# Allegro board 8880F5-0823_1_redwan.brd (continued)
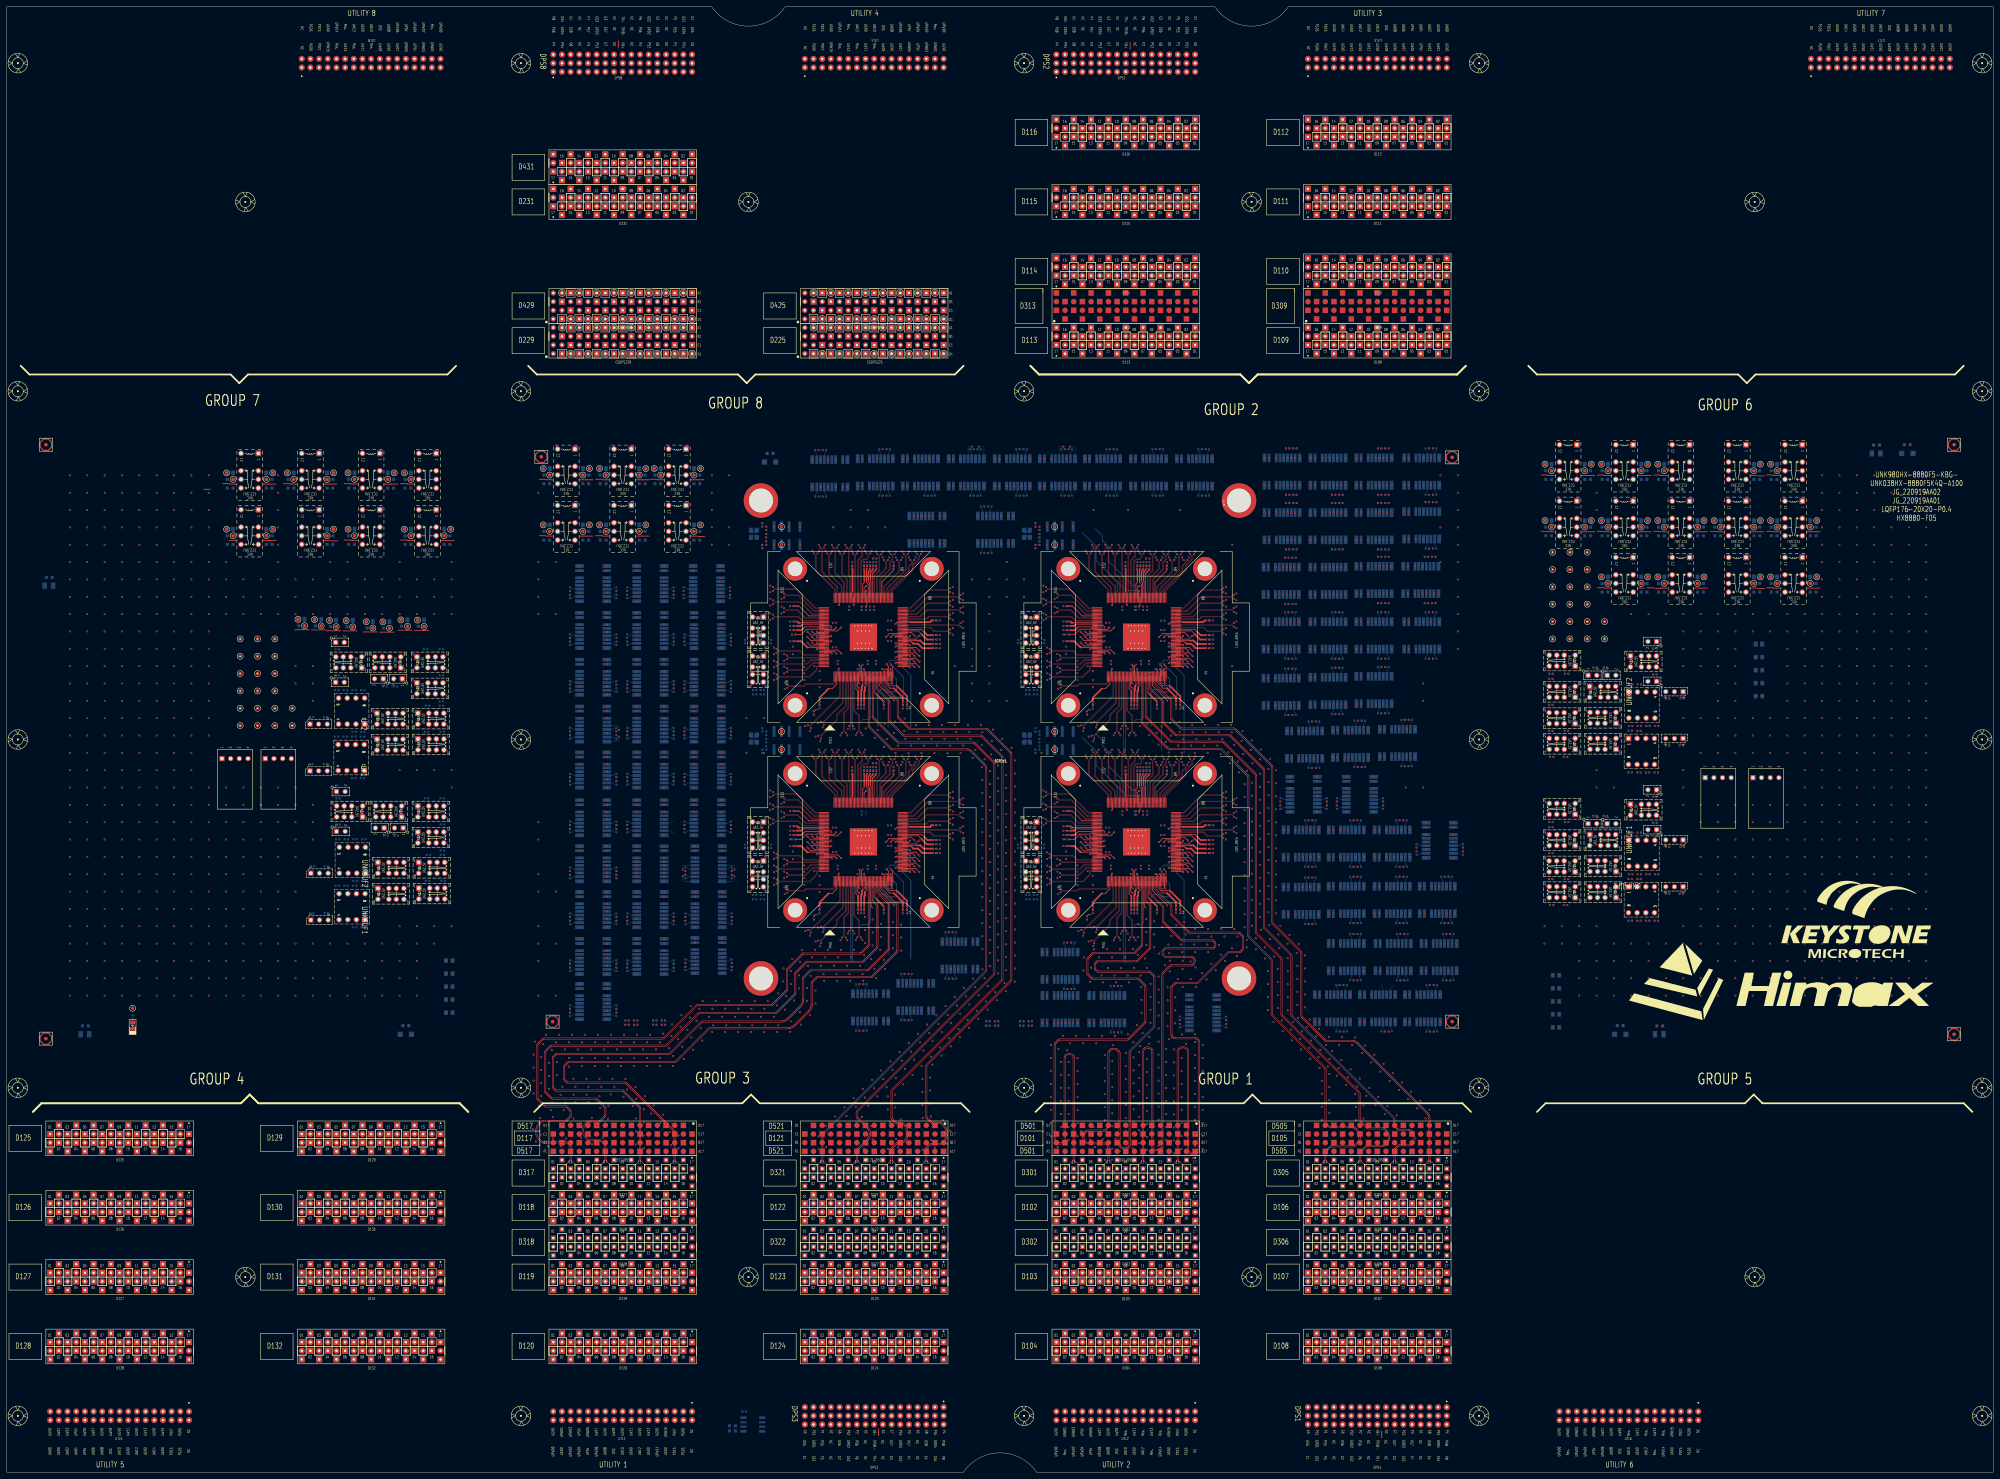
[diagram p0: board, top side]
## Routing (per net, layer and track width the routed paths; a pad name or vN(x,y) marks a point on that pad's centre or on a via; arc(x,y) is an arc through that point) (continued)
S2_1TX_100DCH004-: length 202.3
  TOP w0.086: SITE2.82 343.98,250.83 344.06,250.75 347.37,250.75 349.36,252.75 358.88,252.75 v1(359.29,253.16)
  L07_SIGNAL w0.071: 413.72,312.77 413.72,284.93 417.12,281.53 417.12,270.65 417.19,270.57 v1(417.6,270.57)
  L30_SIGNAL w0.071: v1(359.29,253.16) 359.76,252.69 362.97,252.69 365.26,250.39 378.01,250.39 380.1,252.47 380.1,275.83 381.7,277.44 390.34,277.44 393.54,280.64 393.54,297.93 397.25,301.64 418.58,301.64 422.1,298.13 422.1,276.83 417.12,271.86 417.12,271.05 v1(417.6,270.57)
S2_1TX_100DCH005+: length 142.8
  TOP w0.086: SITE2.83 343.98,251.23 344.06,251.31 346.53,251.31 349.61,254.39 355.8,254.39 v1(356.24,253.95)
  L07_SIGNAL w0.071: 399.32,312.77 399.32,255.15 400.74,253.72 402.29,253.72 402.95,253.06 402.95,251.98 402.88,251.9 v1(402.48,251.9)
  L30_SIGNAL w0.071: v1(356.24,253.95) 355.77,254.42 355.47,254.42 355.12,254.06 355.12,245.25 357.18,243.18 395.75,243.18 402.95,250.38 402.95,251.43 v1(402.48,251.9)
S2_1TX_100DCH005-: length 143.8
  TOP w0.086: SITE2.84 343.98,251.63 344.06,251.55 346.43,251.55 349.51,254.63 355.78,254.63 v1(356.24,255.09)
  L07_SIGNAL w0.071: 399.52,312.77 399.52,255.23 400.82,253.92 402.37,253.92 403.15,253.14 403.15,251.98 403.22,251.9 v1(403.63,251.9)
  L30_SIGNAL w0.071: v1(356.24,255.09) 355.77,254.62 355.39,254.62 354.92,254.14 354.92,245.17 357.1,242.99 395.84,242.99 403.15,250.3 403.15,251.43 v1(403.63,251.9)
S2_1TX_100DCH006+: length 166.7
  TOP w0.086: SITE2.85 343.98,252.03 344.06,252.11 345.58,252.11 349.82,256.36 358.81,256.36 v1(359.29,255.88)
  L07_SIGNAL w0.071: 407.17,312.77 407.17,244.22 402.95,240.01 402.95,238.39 402.88,238.32 v1(402.48,238.32)
  L30_SIGNAL w0.071: v1(402.48,238.32) 402.95,237.84 402.95,237.4 402.32,236.77 359.26,236.77 354.16,241.87 354.16,254.64 355.87,256.35 358.82,256.35 v1(359.29,255.88)
S2_1TX_100DCH006-: length 167.6
  TOP w0.086: SITE2.86 343.98,252.43 344.06,252.35 345.48,252.35 349.73,256.6 358.87,256.6 v1(359.29,257.02)
  L07_SIGNAL w0.071: v1(403.63,238.32) 403.22,238.32 403.15,238.39 403.15,239.93 407.37,244.14 407.37,312.77
  L30_SIGNAL w0.071: v1(403.63,238.32) 403.15,237.84 403.15,237.32 402.4,236.57 359.18,236.57 353.97,241.78 353.97,254.73 355.79,256.55 358.82,256.55 v1(359.29,257.02)
S2_1TX_100DCH007+: length 115.1
  TOP w0.086: SITE2.87 343.98,252.83 344.06,252.91 344.57,252.91 349.88,258.23 355.83,258.23 v1(356.24,257.81)
  L07_SIGNAL w0.071: 379.47,312.91 379.47,286.59 378.43,285.55 376.66,285.55 376.03,284.92 376.03,283.98 375.96,283.91 v1(375.56,283.91)
  L30_SIGNAL w0.071: v1(356.24,257.81) 356.72,258.28 362.24,258.28 369.66,250.87 377.37,250.87 379.38,252.88 379.38,274.01 372.95,280.44 372.95,284.92 373.49,285.46 375.76,285.46 376.04,285.19 376.04,284.39 v1(375.56,283.91)
S2_1TX_100DCH007-: length 115.4
  TOP w0.086: v1(356.24,258.95) 355.76,258.47 349.78,258.47 344.47,253.15 344.06,253.15 343.98,253.23 SITE2.88
  L07_SIGNAL w0.071: 379.66,312.91 379.66,286.5 378.51,285.35 376.74,285.35 376.23,284.84 376.23,283.98 376.3,283.91 v1(376.7,283.91)
  L30_SIGNAL w0.071: v1(376.7,283.91) 376.23,284.38 376.23,285.27 375.85,285.66 373.41,285.66 372.75,285 372.75,280.36 379.18,273.93 379.18,252.96 377.29,251.06 369.74,251.06 362.32,258.48 356.72,258.48 v1(356.24,258.95)
S2_2AUX+:
  vias: v1(290.31,132.08) v1(290.31,130.81)
S2_2AUX-:
  vias: v1(286.77,130.81) v1(287.77,132.08)
S2_2TX_100DCH001+: length 92.1
  TOP w0.086: SITE2.89 339.43,257.78 339.35,257.86 339.35,258.16 345.32,264.13 345.32,265.52 347.21,267.41 347.21,268.5 v1(347.64,268.93)
  L05_SIGNAL w0.071: 379.8,311.64 379.8,284.33 377.77,282.29 377.77,272.89 376.03,271.15 376.03,270.39 375.96,270.32 v1(375.56,270.32)
  L32_SIGNAL w0.071: v1(375.56,270.32) 376.03,269.85 376.03,268.98 375.72,268.67 357.83,268.67 356.82,269.68 349.14,269.68 347.62,268.16 347.26,268.16 347.17,268.24 347.17,268.46 v1(347.64,268.93)
S2_2TX_100DCH001-: length 92.7
  TOP w0.086: v1(346.5,268.93) 346.97,268.46 346.97,267.51 345.08,265.62 345.08,264.23 339.11,258.26 339.11,257.86 339.03,257.78 SITE2.90
  L05_SIGNAL w0.071: v1(376.7,270.32) 376.3,270.32 376.23,270.39 376.23,271.07 377.97,272.81 377.97,282.21 380,284.24 380,311.64
  L32_SIGNAL w0.071: v1(346.5,268.93) 346.97,268.46 346.97,268.16 347.18,267.96 347.7,267.96 349.23,269.48 356.74,269.48 357.74,268.48 375.8,268.48 376.23,268.9 376.23,269.85 v1(376.7,270.32)
S2_2TX_100DCH002+: length 127.3
  TOP w0.086: SITE2.91 338.63,257.78 338.55,257.86 338.55,258.23 344.35,264.04 344.35,265.37 345.28,266.31 345.28,266.78 v1(345.72,267.21)
  L05_SIGNAL w0.071: 409.78,311.64 409.78,287.26 407.56,285.04 407.56,272.12 405.11,269.66 403.63,269.66 402.95,268.99 402.95,268.23 402.88,268.16 v1(402.48,268.16)
  L32_SIGNAL w0.071: v1(402.48,268.16) 402.95,268.63 402.95,268.91 402.78,269.09 400.26,269.09 397.07,265.9 386.11,265.9 381.04,270.97 346,270.97 345.24,270.21 345.24,267.69 v1(345.72,267.21)
S2_2TX_100DCH002-: length 128
  TOP w0.086: v1(344.57,267.21) 345.04,266.74 345.04,266.4 344.11,265.47 344.11,264.13 338.31,258.33 338.31,257.86 338.23,257.78 SITE2.92
  L05_SIGNAL w0.071: v1(403.63,268.16) 403.22,268.16 403.15,268.23 403.15,268.91 403.71,269.47 405.19,269.47 407.76,272.04 407.76,284.96 409.97,287.17 409.97,311.64
  L32_SIGNAL w0.071: v1(403.63,268.16) 403.15,268.63 403.15,268.99 402.86,269.28 400.18,269.28 396.99,266.1 386.19,266.1 381.12,271.17 345.92,271.17 345.04,270.3 345.04,267.69 v1(344.57,267.21)
S2_2TX_100DCH003+: length 155.1
  TOP w0.086: SITE2.93 337.83,257.78 337.75,257.86 337.75,258.68 343.34,264.27 343.34,268.49 v1(343.79,268.93)
  L05_SIGNAL w0.071: 411.8,311.64 411.8,272.67 407.83,268.7 407.83,258.32 406.23,256.73 403.61,256.73 402.95,256.07 402.95,254.64 402.88,254.57 v1(402.48,254.57)
  L32_SIGNAL w0.071: v1(402.48,254.57) 402.95,254.1 402.95,253.32 402.31,252.68 396.06,252.68 394.29,254.45 394.29,258.84 391.57,261.55 356.58,261.55 354.26,259.23 345.64,259.23 343.31,261.56 343.31,268.46 v1(343.79,268.93)
S2_2TX_100DCH003-: length 155.8
  TOP w0.086: v1(342.64,268.93) 343.1,268.47 343.1,264.37 337.51,258.78 337.51,257.86 337.43,257.78 SITE2.94
  L05_SIGNAL w0.071: v1(403.63,254.57) 403.22,254.57 403.15,254.64 403.15,255.98 403.7,256.53 406.31,256.53 408.03,258.24 408.03,268.62 411.99,272.58 411.99,311.64
  L32_SIGNAL w0.071: v1(342.64,268.93) 343.12,268.46 343.12,261.48 345.56,259.03 354.34,259.03 356.66,261.35 391.49,261.35 394.09,258.75 394.09,254.37 395.98,252.48 402.4,252.48 403.15,253.23 403.15,254.1 v1(403.63,254.57)
S2_2TX_100DCH004+: length 137.4
  TOP w0.086: v1(341.86,267.21) 341.41,266.77 341.41,263.74 336.95,259.28 336.95,257.86 337.03,257.78 SITE2.95
  L05_SIGNAL w0.071: v1(402.48,283.91) 402.88,283.91 402.95,283.98 402.95,284.92 403.61,285.57 406.4,285.57 408.19,287.36 408.19,311.64
  L32_SIGNAL w0.071: v1(402.48,283.91) 402.95,284.38 402.95,285.04 403.21,285.29 406.19,285.29 407.18,284.31 407.18,270.55 406.19,269.57 397.32,269.57 396.65,268.89 384.63,268.89 381.81,271.72 366.74,271.72 366.18,272.28 342.6,272.28 341.38,271.07 341.38,267.69 v1(341.86,267.21)
S2_2TX_100DCH004-: length 136.7
  TOP w0.086: SITE2.96 336.63,257.78 336.71,257.86 336.71,259.38 341.17,263.84 341.17,266.75 v1(340.71,267.21)
  L05_SIGNAL w0.071: 408.39,311.64 408.39,287.28 406.48,285.37 403.69,285.37 403.15,284.84 403.15,283.98 403.22,283.91 v1(403.63,283.91)
  L32_SIGNAL w0.071: v1(403.63,283.91) 403.15,284.38 403.15,284.96 403.29,285.09 406.11,285.09 406.98,284.23 406.98,270.64 406.11,269.77 397.24,269.77 396.56,269.09 384.72,269.09 381.89,271.92 366.83,271.92 366.26,272.48 342.52,272.48 341.19,271.15 341.19,267.69 v1(340.71,267.21)
S2_2TX_100DCH005+: length 130.2
  TOP w0.086: v1(339.93,268.93) 339.46,268.47 339.46,267.3 338.7,266.53 338.7,264.43 335.75,261.48 335.75,257.86 335.83,257.78 SITE2.98
  L05_SIGNAL w0.071: 399.7,311.64 399.7,273.14 400.54,272.3 402.03,272.3 402.95,271.37 402.95,270.39 402.88,270.32 v1(402.48,270.32)
  L32_SIGNAL w0.071: v1(339.93,268.93) 339.45,269.4 339.45,271.76 340.65,272.96 366.4,272.96 367.14,272.22 383.39,272.22 386.2,269.41 395,269.41 397.98,272.39 402.45,272.39 402.95,271.88 402.95,270.79 v1(402.48,270.32)
S2_2TX_100DCH005-: length 130.9
  TOP w0.086: v1(338.78,268.93) 339.22,268.49 339.22,267.39 338.46,266.63 338.46,264.53 335.51,261.58 335.51,257.86 335.43,257.78 SITE2.99
  L05_SIGNAL w0.071: 399.9,311.64 399.9,273.22 400.62,272.49 402.11,272.49 403.15,271.45 403.15,270.39 403.22,270.32 v1(403.63,270.32)
  L32_SIGNAL w0.071: v1(338.78,268.93) 339.26,269.4 339.26,271.84 340.57,273.15 366.48,273.15 367.22,272.42 383.48,272.42 386.29,269.61 394.92,269.61 397.9,272.59 402.53,272.59 403.15,271.96 403.15,270.79 v1(403.63,270.32)
S2_2TX_100DCH006+: length 237.3
  TOP w0.086: v1(338,267.21) 337.55,266.76 337.55,264.67 334.95,262.07 334.95,257.86 335.03,257.78 SITE2.100
  L05_SIGNAL w0.071: v1(389.02,283.91) 389.42,283.91 389.49,283.98 389.49,285.03 390.19,285.73 391.88,285.73 393.3,287.15 393.3,311.64
  L32_SIGNAL w0.071: v1(389.02,283.91) 389.48,283.45 389.48,282.85 388.8,282.17 387.45,282.17 386.34,283.28 386.34,292.25 387.04,292.94 404.38,292.94 406.96,295.52 406.96,301.44 404,304.4 369.35,304.4 367.03,302.08 367.03,280.62 363.57,277.17 318.65,277.17 314.95,273.47 314.95,268.46 320.43,262.97 336.26,262.97 337.53,264.24 337.53,266.74 v1(338,267.21)
S2_2TX_100DCH006-: length 236.6
  TOP w0.086: SITE2.101 334.63,257.78 334.71,257.86 334.71,262.17 337.31,264.77 337.31,266.76 v1(336.85,267.21)
  L05_SIGNAL w0.071: 393.5,311.64 393.5,287.07 391.96,285.53 390.28,285.53 389.69,284.94 389.69,283.98 389.76,283.91 v1(390.16,283.91)
  L32_SIGNAL w0.071: v1(336.85,267.21) 337.33,266.74 337.33,264.32 336.18,263.17 320.52,263.17 315.15,268.54 315.15,273.39 318.73,276.97 363.66,276.97 367.22,280.54 367.22,302 369.43,304.2 403.91,304.2 406.76,301.36 406.76,295.6 404.3,293.14 386.95,293.14 386.15,292.33 386.15,283.2 387.37,281.98 388.89,281.98 389.67,282.76 389.67,283.42 v1(390.16,283.91)
S2_2TX_100DCH007+: length 118.4
  TOP w0.086: v1(336.07,268.93) 335.64,268.51 335.64,264.07 334.15,262.58 334.15,257.86 334.23,257.78 SITE2.102
  L05_SIGNAL w0.071: v1(389.02,270.32) 389.42,270.32 389.49,270.39 389.49,271.16 391.29,272.96 391.29,282.51 394.2,285.43 394.2,311.64
  L32_SIGNAL w0.071: v1(389.02,270.32) 389.49,270.79 389.49,271.84 389.03,272.31 386.97,272.31 385.33,273.94 336.71,273.94 335.6,272.83 335.6,269.4 v1(336.07,268.93)
S2_2TX_100DCH007-: length 119
  TOP w0.086: v1(334.93,268.93) 335.4,268.46 335.4,264.17 333.91,262.68 333.91,257.86 333.83,257.78 SITE2.103
  L05_SIGNAL w0.071: v1(390.16,270.32) 389.76,270.32 389.69,270.39 389.69,271.08 391.49,272.88 391.49,282.43 394.4,285.35 394.4,311.64
  L32_SIGNAL w0.071: v1(390.16,270.32) 389.69,270.79 389.69,271.93 389.11,272.51 387.05,272.51 385.42,274.14 336.63,274.14 335.4,272.91 335.4,269.4 v1(334.93,268.93)
S2_3TX_100DCH002+: length 125.2
  TOP w0.086: SITE2.114 329.43,257.78 329.35,257.86 329.35,267.06 330.46,268.18 330.46,270.4 v1(330.93,270.87)
  L07_SIGNAL w0.071: 386.4,312.91 386.4,289.03 387.24,288.18 388.84,288.18 389.49,287.53 389.49,286.39 389.42,286.32 v1(389.02,286.32)
  L30_SIGNAL w0.071: v1(389.02,286.32) 389.49,286.79 389.49,287.73 388.91,288.31 386.91,288.31 383.92,291.3 334.25,291.3 330.46,287.51 330.46,271.34 v1(330.93,270.87)
S2_3TX_100DCH002-: length 125.8
  TOP w0.086: SITE2.115 329.03,257.78 329.11,257.86 329.11,267.16 330.22,268.28 330.22,270.43 v1(329.79,270.87)
  L07_SIGNAL w0.071: v1(390.16,286.32) 389.76,286.32 389.69,286.39 389.69,287.61 388.92,288.38 387.33,288.38 386.6,289.11 386.6,312.91
  L30_SIGNAL w0.071: v1(390.16,286.32) 389.69,286.79 389.69,287.81 388.99,288.51 386.99,288.51 384.01,291.5 334.17,291.5 330.26,287.59 330.26,271.34 v1(329.79,270.87)
S2_3TX_100DCH003+: length 225.4
  TOP w0.086: v1(328.93,269.15) 328.55,268.77 328.55,257.86 328.63,257.78 SITE2.116
  L07_SIGNAL w0.071: 411.35,312.77 411.35,284.99 413.59,282.74 413.59,272.04 416.67,268.96 416.67,268.23 416.6,268.16 v1(416.2,268.16)
  L30_SIGNAL w0.071: v1(328.93,269.15) 328.46,269.62 328.46,278.82 329.59,279.95 329.59,284.83 328.18,286.24 328.18,288.75 332.05,292.63 379.88,292.63 389.65,302.4 423.31,302.4 427.99,297.73 427.99,277.1 420.89,270.01 417.12,270.01 416.67,269.56 416.67,268.63 v1(416.2,268.16)
S2_3TX_100DCH003-: length 226.1
  TOP w0.086: v1(327.79,269.15) 328.31,268.63 328.31,257.86 328.23,257.78 SITE2.117
  L07_SIGNAL w0.071: 411.54,312.77 411.54,285.07 413.79,282.83 413.79,272.12 416.87,269.04 416.87,268.23 416.94,268.16 v1(417.34,268.16)
  L30_SIGNAL w0.071: v1(327.79,269.15) 328.26,269.62 328.26,278.9 329.39,280.03 329.39,284.75 327.98,286.16 327.98,288.84 331.97,292.83 379.8,292.83 389.57,302.6 423.39,302.6 428.19,297.81 428.19,277.02 420.98,269.81 417.2,269.81 416.87,269.48 416.87,268.63 v1(417.34,268.16)
S2_3TX_100DCH004+: length 260.6
  TOP w0.086: SITE2.120 327.03,257.78 326.95,257.86 326.95,262.28 326.61,262.62 326.61,270.41 v1(327.07,270.87)
  L07_SIGNAL w0.071: 422.69,312.7 422.69,259.08 420.11,256.5 417.33,256.5 416.67,255.84 416.67,254.64 416.6,254.57 v1(416.2,254.57)
  L30_SIGNAL w0.071: v1(327.07,270.87) 326.6,271.34 326.6,288.41 331.83,293.64 377.35,293.64 387.74,304.03 425.86,304.03 430.07,299.82 430.07,265.36 421.5,256.79 417.38,256.79 416.67,256.08 416.67,255.04 v1(416.2,254.57)
S2_3TX_100DCH004-: length 261.3
  TOP w0.086: v1(325.93,270.87) 326.38,270.42 326.38,262.52 326.71,262.19 326.71,257.86 326.63,257.78 SITE2.121
  L07_SIGNAL w0.071: 422.89,312.7 422.89,259 420.19,256.3 417.41,256.3 416.87,255.75 416.87,254.64 416.94,254.57 v1(417.34,254.57)
  L30_SIGNAL w0.071: v1(417.34,254.57) 416.87,255.04 416.87,256 417.46,256.6 421.59,256.6 430.27,265.27 430.27,299.9 425.94,304.22 387.66,304.22 377.27,293.84 331.75,293.84 326.4,288.49 326.4,271.34 v1(325.93,270.87)
S2_3TX_100DCH005+: length 128.6
  TOP w0.086: SITE2.122 326.23,257.78 326.15,257.86 326.15,261.71 324.69,263.17 324.69,268.7 v1(325.14,269.15)
  L07_SIGNAL w0.071: v1(375.3,267.91) 375.71,267.91 375.78,267.98 375.78,269.09 376.37,269.69 378.14,269.69 380.69,272.24 380.69,312.91
  L30_SIGNAL w0.071: v1(375.3,267.91) 375.78,267.43 375.78,266.69 374.99,265.9 359.03,265.9 350.56,257.43 328.04,257.43 324.67,260.8 324.67,268.68 v1(325.14,269.15)
S2_3TX_100DCH005-: length 129.3
  TOP w0.086: v1(324,269.15) 324.46,268.69 324.46,263.07 325.91,261.61 325.91,257.86 325.83,257.78 SITE2.123
  L07_SIGNAL w0.071: v1(376.45,267.91) 376.05,267.91 375.98,267.98 375.98,269.01 376.45,269.49 378.22,269.49 380.89,272.16 380.89,312.91
  L30_SIGNAL w0.071: v1(324,269.15) 324.47,268.68 324.47,260.72 327.95,257.24 350.65,257.24 359.11,265.7 375.07,265.7 375.97,266.6 375.97,267.43 v1(376.45,267.91)
S2_3TX_100DCH006+: length 149.5
  TOP w0.086: v1(323.16,270.88) 322.73,270.45 322.73,263.37 325.35,260.75 325.35,257.86 325.43,257.78 SITE2.124
  L07_SIGNAL w0.071: 372.63,312.91 372.63,256.87 373.25,256.25 375.25,256.25 375.78,255.72 375.78,254.39 375.71,254.32 v1(375.3,254.32)
  L30_SIGNAL w0.071: v1(375.3,254.32) 375.77,253.85 375.77,253.14 375.38,252.74 370.92,252.74 362.69,260.97 355.31,260.97 351.23,256.89 326.07,256.89 322.69,260.27 322.69,270.41 v1(323.16,270.88)
S2_3TX_100DCH006-: length 150.2
  TOP w0.086: v1(322.02,270.88) 322.49,270.41 322.49,263.28 325.11,260.65 325.11,257.86 325.03,257.78 SITE2.125
  L07_SIGNAL w0.071: v1(376.45,254.32) 376.05,254.32 375.98,254.39 375.98,255.8 375.33,256.45 373.33,256.45 372.83,256.95 372.83,312.91
  L30_SIGNAL w0.071: v1(376.45,254.32) 375.97,253.84 375.97,253.06 375.46,252.54 370.84,252.54 362.61,260.77 355.4,260.77 351.31,256.69 325.99,256.69 322.49,260.18 322.49,270.41 v1(322.02,270.88)
S2_3TX_100DCH007+: length 113.4
  TOP w0.086: v1(321.28,269.15) 320.83,268.7 320.83,263.34 324.55,259.62 324.55,257.86 324.63,257.78 SITE2.126
  L07_SIGNAL w0.071: 376.03,312.91 376.03,299.98 375.96,299.91 v1(375.56,299.91)
  L30_SIGNAL w0.071: v1(375.56,299.91) 376.03,300.39 376.03,302.26 375.52,302.78 365.33,302.78 357.45,294.9 324.29,294.9 320.81,291.42 320.81,269.62 v1(321.28,269.15)
S2_3TX_100DCH007-: length 114
  TOP w0.086: v1(320.14,269.15) 320.59,268.7 320.59,263.24 324.31,259.52 324.31,257.86 324.23,257.78 SITE2.127
  L07_SIGNAL w0.071: v1(376.7,299.91) 376.3,299.91 376.23,299.98 376.23,312.91
  L30_SIGNAL w0.071: v1(376.7,299.91) 376.23,300.38 376.23,302.34 375.6,302.98 365.25,302.98 357.37,295.1 324.21,295.1 320.61,291.51 320.61,269.62 v1(320.14,269.15)
S2_4TX_100DCH001+: length 115.5
  TOP w0.086: v1(319.3,270.88) 318.85,270.43 318.85,263.79 323.35,259.29 323.35,257.86 323.43,257.78 SITE2.129
  L05_SIGNAL w0.071: v1(375.56,286.32) 375.96,286.32 376.03,286.39 376.03,287.05 377.83,288.85 377.83,294.96 379.13,296.26 379.13,311.64
  L32_SIGNAL w0.071: v1(375.56,286.32) 376.03,286.79 376.03,287.61 375.39,288.26 372.07,288.26 370.62,286.81 370.62,280.56 365.27,275.21 320.4,275.21 318.83,273.64 318.83,271.35 v1(319.3,270.88)
S2_4TX_100DCH001-: length 116.2
  TOP w0.086: v1(318.16,270.88) 318.61,270.43 318.61,263.69 323.11,259.19 323.11,257.86 323.03,257.78 SITE2.130
  L05_SIGNAL w0.071: 379.33,311.64 379.33,296.18 378.03,294.88 378.03,288.77 376.23,286.97 376.23,286.39 376.3,286.32 v1(376.7,286.32)
  L32_SIGNAL w0.071: v1(376.7,286.32) 376.23,286.79 376.23,287.69 375.47,288.46 371.98,288.46 370.42,286.89 370.42,280.64 365.19,275.41 320.31,275.41 318.63,273.73 318.63,271.35 v1(318.16,270.88)
S2_4TX_100DCH002+: length 144.4
  TOP w0.086: SITE2.131 322.63,257.78 322.55,257.86 322.55,258.66 316.97,264.24 316.97,268.69 v1(317.43,269.15)
  L05_SIGNAL w0.071: 402.95,311.64 402.95,299.98 402.88,299.91 v1(402.48,299.91)
  L32_SIGNAL w0.071: v1(317.43,269.15) 316.95,269.62 316.95,273.76 319.35,276.16 364.67,276.16 369.01,280.51 369.01,301.35 369.88,302.21 401.84,302.21 402.95,301.1 402.95,300.38 v1(402.48,299.91)
S2_4TX_100DCH002-: length 145
  TOP w0.086: v1(316.28,269.15) 316.73,268.71 316.73,264.14 322.31,258.56 322.31,257.86 322.23,257.78 SITE2.132
  L05_SIGNAL w0.071: 403.15,311.64 403.15,299.98 403.22,299.91 v1(403.63,299.91)
  L32_SIGNAL w0.071: v1(316.28,269.15) 316.75,269.62 316.75,273.84 319.27,276.36 364.58,276.36 368.81,280.59 368.81,301.43 369.8,302.41 401.92,302.41 403.15,301.18 403.15,300.38 v1(403.63,299.91)
S2_4TX_100DCH003+: length 204.4
  TOP w0.086: v1(304.31,259.31) 304.75,258.87 311.22,258.87 316.94,253.15 317.6,253.15 317.68,253.23 SITE2.133
  L05_SIGNAL w0.071: v1(402.48,286.32) 402.88,286.32 402.95,286.39 402.95,287.5 403.97,288.52 405.84,288.52 406.38,289.06 406.38,311.64
  L32_SIGNAL w0.071: v1(304.31,259.31) 303.83,258.84 302.73,258.84 301.98,259.59 301.98,267.6 312.48,278.1 345.5,278.1 363.76,296.36 363.76,302.05 368.91,307.2 402.53,307.2 408.24,301.49 408.24,290.45 406.37,288.57 403.4,288.57 402.95,288.13 402.95,286.79 v1(402.48,286.32)
S2_4TX_100DCH003-: length 205.4
  TOP w0.086: SITE2.134 317.68,252.83 317.6,252.91 316.84,252.91 311.12,258.63 304.77,258.63 v1(304.31,258.17)
  L05_SIGNAL w0.071: 406.58,311.64 406.58,288.98 405.92,288.32 404.06,288.32 403.15,287.42 403.15,286.39 403.22,286.32 v1(403.63,286.32)
  L32_SIGNAL w0.071: v1(403.63,286.32) 403.15,286.79 403.15,288.05 403.48,288.38 406.45,288.38 408.44,290.37 408.44,301.57 402.62,307.4 368.83,307.4 363.57,302.13 363.57,296.44 345.42,278.3 312.39,278.3 301.78,267.68 301.78,259.51 302.65,258.64 303.83,258.64 v1(304.31,258.17)
S2_4TX_100DCH004+: length 151.7
  TOP w0.086: SITE2.135 317.68,252.43 317.6,252.35 316.46,252.35 311.86,256.95 308.04,256.95 v1(307.6,257.38)
  L05_SIGNAL w0.071: v1(375.3,251.9) 375.71,251.9 375.78,251.98 375.78,253.05 376.42,253.69 378.01,253.69 380.8,256.48 380.8,311.64
  L32_SIGNAL w0.071: v1(307.6,257.38) 308.07,256.91 354.09,256.91 354.67,256.33 357.11,256.33 359.12,258.33 365.31,258.33 373.63,250.01 375.26,250.01 375.78,250.53 375.78,251.43 v1(375.3,251.9)
S2_4TX_100DCH004-: length 152
  TOP w0.086: SITE2.136 317.68,252.03 317.6,252.11 316.36,252.11 311.76,256.71 308.07,256.71 v1(307.6,256.24)
  L05_SIGNAL w0.071: 380.99,311.64 380.99,256.4 378.09,253.49 376.5,253.49 375.98,252.97 375.98,251.98 376.05,251.9 v1(376.45,251.9)
  L32_SIGNAL w0.071: v1(376.45,251.9) 375.98,251.43 375.98,250.45 375.34,249.81 373.55,249.81 365.23,258.13 359.2,258.13 357.2,256.13 354.59,256.13 354.01,256.71 308.07,256.71 v1(307.6,256.24)
S2_4TX_100DCH005+: length 176.3
  TOP w0.086: SITE2.137 317.68,251.63 317.6,251.55 315.88,251.55 312.43,255.01 304.75,255.01 v1(304.31,255.45)
  L05_SIGNAL w0.071: v1(375.3,238.32) 375.71,238.32 375.78,238.39 375.78,240.05 382.35,246.63 382.35,311.64
  L32_SIGNAL w0.071: v1(304.31,255.45) 304.78,254.98 305.14,254.98 306.04,254.08 306.04,251.27 307.02,250.29 349.51,250.29 356.97,242.83 363.64,242.83 370.4,236.08 375.02,236.08 375.78,236.83 375.78,237.84 v1(375.3,238.32)
S2_4TX_100DCH005-: length 176.6
  TOP w0.086: v1(304.31,254.31) 304.76,254.77 312.33,254.77 315.78,251.31 317.6,251.31 317.68,251.23 SITE2.138
  L05_SIGNAL w0.071: v1(376.45,238.32) 376.05,238.32 375.98,238.39 375.98,239.97 382.55,246.55 382.55,311.64
  L32_SIGNAL w0.071: v1(304.31,254.31) 304.78,254.78 305.06,254.78 305.84,254 305.84,251.19 306.94,250.09 349.43,250.09 356.89,242.63 363.56,242.63 370.31,235.88 375.1,235.88 375.98,236.75 375.98,237.84 v1(376.45,238.32)
S2_4TX_100DCH006+: length 191.4
  TOP w0.086: v1(307.6,253.14) 308.04,252.7 311.52,252.7 313.87,250.35 317.6,250.35 317.68,250.43 SITE2.140
  L05_SIGNAL w0.071: v1(416.45,251.9) 416.85,251.9 416.92,251.98 416.92,253.26 417.47,253.8 418.61,253.8 421.66,256.86 421.66,311.64
  L32_SIGNAL w0.071: v1(416.45,251.9) 416.92,251.43 416.92,250.12 414.4,247.6 362.89,247.6 357.8,252.69 355.66,252.69 354.39,251.43 325.91,251.43 324.67,252.67 308.07,252.67 v1(307.6,253.14)
S2_4TX_100DCH006-: length 191.7
  TOP w0.086: SITE2.141 317.68,250.03 317.6,250.11 313.78,250.11 311.43,252.46 308.06,252.46 v1(307.6,252)
  L05_SIGNAL w0.071: v1(417.6,251.9) 417.19,251.9 417.12,251.98 417.12,253.18 417.55,253.6 418.69,253.6 421.86,256.77 421.86,311.64
  L32_SIGNAL w0.071: v1(307.6,252) 308.07,252.47 324.59,252.47 325.83,251.23 354.47,251.23 355.74,252.5 357.71,252.5 362.81,247.4 414.49,247.4 417.12,250.04 417.12,251.43 v1(417.6,251.9)
S2_4TX_100DCH007+: length 219
  TOP w0.086: v1(304.31,251.21) 304.76,250.76 311.83,250.76 313.04,249.55 317.6,249.55 317.68,249.63 SITE2.142
  L05_SIGNAL w0.071: v1(416.45,238.32) 416.85,238.32 416.92,238.39 416.92,239.91 423.19,246.17 423.19,311.64
  L32_SIGNAL w0.071: v1(304.31,251.21) 304.78,250.74 305.38,250.74 306.67,249.45 306.67,243.09 309.17,240.6 315.38,240.6 316.99,238.98 338.54,238.98 339.58,237.94 343.63,237.94 344.11,238.42 365.44,238.42 369.68,234.17 414.88,234.17 416.92,236.22 416.92,237.84 v1(416.45,238.32)
S2_4TX_100DCH007-: length 219.4
  TOP w0.086: SITE2.143 317.68,249.23 317.6,249.31 312.94,249.31 311.73,250.52 304.76,250.52 v1(304.31,250.07)
  L05_SIGNAL w0.071: 423.39,311.64 423.39,246.09 417.12,239.83 417.12,238.39 417.19,238.32 v1(417.6,238.32)
  L32_SIGNAL w0.071: v1(304.31,250.07) 304.78,250.54 305.3,250.54 306.47,249.37 306.47,243.01 309.08,240.4 315.3,240.4 316.91,238.79 338.45,238.79 339.5,237.74 343.71,237.74 344.19,238.22 365.35,238.22 369.6,233.97 414.96,233.97 417.12,236.14 417.12,237.84 v1(417.6,238.32)
S2_AUX_100DCH002+:
  vias: v1(289.31,132.08)
S2_AUX_100DCH002-:
  vias: v1(286.77,132.08)
S2_AUXCH+: length 32.3
  TOP w0.203: v2(330.6,236.57) 330.23,236.2 SITE2.21
  BOTTOM w0.203: v2(330.6,236.57) 330.3,236.28 330.3,234.52 327.57,231.79 327.57,209.14
S2_AUXCH-: length 32.1
  TOP w0.203: SITE2.20 329.83,236.2 v2(329.46,236.57)
  BOTTOM w0.203: v2(329.46,236.57) 329.76,236.28 329.76,234.75 327.02,232.02 327.02,209.37
S2_AVDD11_RX: length 8.4
  TOP w0.231: 334.67,227.85 334.23,228.29 SITE2.31
  TOP w0.508: v1(336.77,225.75) 334.67,227.85
  vias: v1(336.77,223.71)
S2_AVDD11_XTAL: length 8.8
  TOP w0.231: SITE2.105 333.03,260.95 332.87,261.11 332.87,261.45
  TOP w0.381: v1(333.72,264.54) 333.72,264.44 332.87,263.59 332.87,261.45
  vias: v1(333.72,266.58)
S2_AVDD18_RX: length 7.7
  TOP w0.231: SITE2.25 331.83,230.56 331.28,230.01
  TOP w0.508: 331.28,230.01 331.28,228.9 331.06,228.68 v1(331.06,225.75)
  vias: v1(331.06,223.71)
S2_DCH041: length 2.2
  TOP w0.231: v1(317.23,243.03) 317.43,242.83 SITE2.159
S2_DCH042: length 3.7
  TOP w0.231: SITE2.160 316.43,242.43 v1(315.83,243.03)
S2_DCH043: length 5.3
  TOP w0.231: SITE2.161 315.44,242.03 v1(314.43,243.03)
S2_DCH044: length 2.2
  TOP w0.231: SITE2.163 317.43,241.23 v1(317.23,241.03)
S2_DCH045: length 5.4
  TOP w0.231: SITE2.164 323.35,240.83 v1(324.35,239.83)
S2_DCH046: length 3.9
  TOP w0.231: v1(322.95,239.83) 322.35,240.43 SITE2.165
S2_DCH047: length 2.3
  TOP w0.231: v1(321.56,239.83) 321.36,240.03 SITE2.166
S2_DCH048:
  vias: v1(309.05,276.97)
S2_DCH049:
  vias: v1(309.05,271.67)
S2_DPS_F_001:
  vias: v1(287.77,130.81)
S2_DPS_F_002: length 10.1
  TOP w0.231: 320.65,229.55 321.72,229.55 323.03,230.86 SITE2.3
  TOP w0.508: v1(317.98,225.75) 317.98,226.88 320.65,229.55